# KiCad board panel.kicad_pcb (continued)
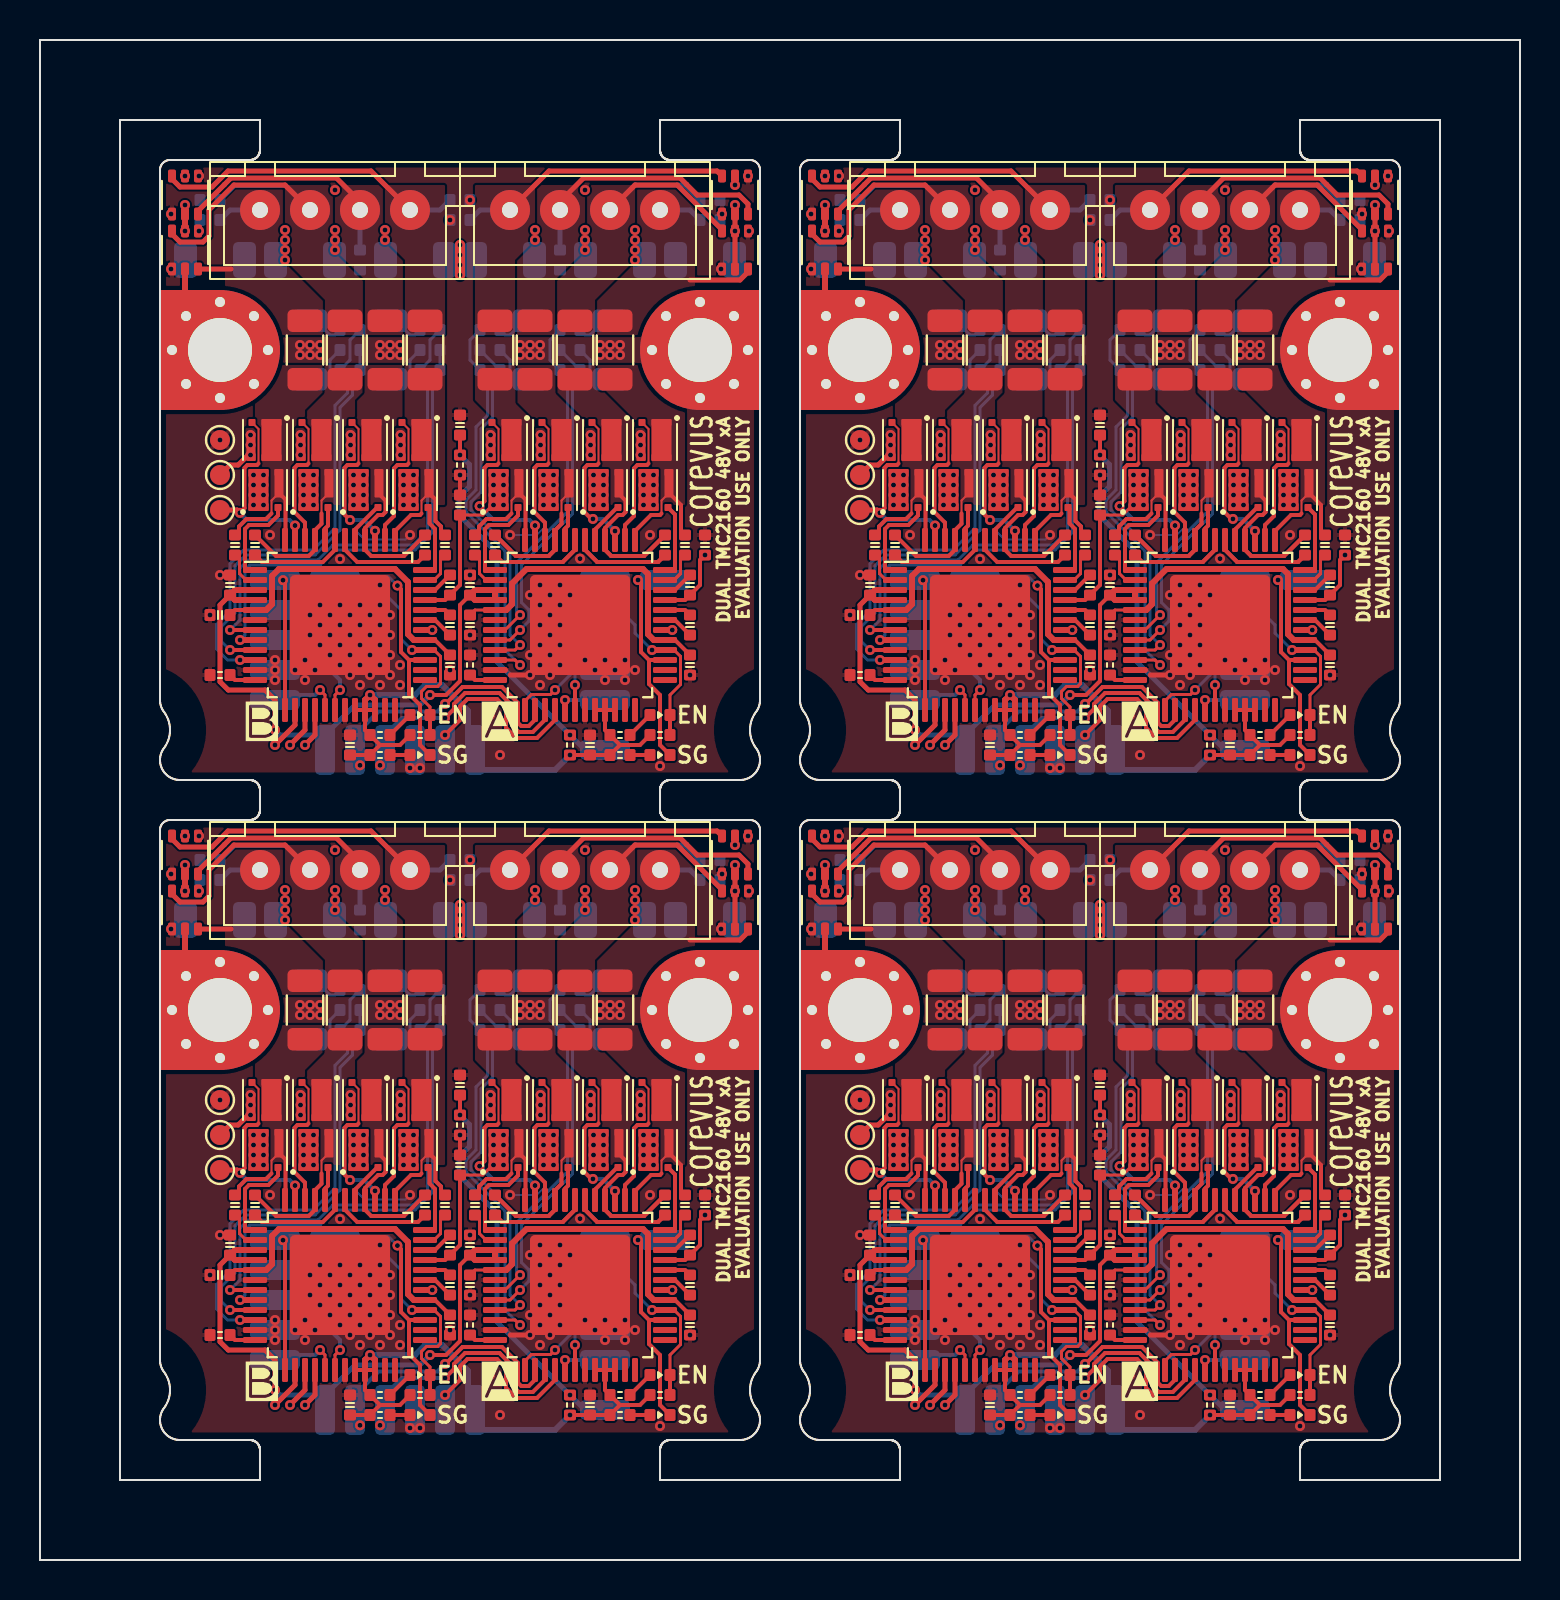
[diagram p0: board, top side]
## Routing (per net, layer and track width the routed paths; a pad name or vN(x,y) marks a point on that pad's centre or on a via; arc(x,y) is an arc through that point) (continued)
Board_0-/_{MA}A1: length 11.5
  Top w0.15: 28.95,53.35 Q5.7
  Top w0.2: U1.40 28.25,50.51 ; U1.40 28.25,50.51 ; U1.40 28.25,51.6 28.9,52.25 29.13,52.25 29.28,52.4 29.28,52.97 29,53.25 ; 28.25,50.51 28.56,50.2 ; 28.25,50.51 28.56,50.2 ; 30.2,50.2 C10.2 30.2,50.2 ; 30.2,50.2 28.56,50.2 ; 30.2,50.2 28.56,50.2
Board_0-/_{MA}A1': length 12.4
  Top w0.25: J1#4.3 29.75,68.75 31.86,68.75 34.1,66.51 D4#4.6
  Bottom w0.25: C17#4.2 32.25,68.75 29.75,68.75 J1#4.3
Board_0-/_{MA}A2: length 5.7
  Top w0.1: 31.45,53.35 31.07,52.97 31.07,52.32
  Top w0.2: 31.45,53.35 32.05,52.75 32.05,51.45 C11#4.2 ; U1.37 29.75,51.45 30.55,52.25 31,52.25 31.07,52.32
Board_0-/_{MA}A2': length 5.4
  Top w0.25: 32.5,64 35,64 35.4,64.4 D4#4.3
  Bottom w0.25: J1#4.4 32.5,67.5 C16#4.2
Board_0-/_{MA}B1: length 6.1
  Top w0.1: 23.95,53.35 23.57,52.97 23.57,52.32
  Top w0.2: 23.95,53.35 24.28,53.02 24.28,51.02 U1.48 ; C8.2 21.95,51.45 21.95,51.68 22.32,52.05 23.3,52.05 23.57,52.32
Board_0-/_{MA}B1': length 13.7
  Top w0.25: D3#3.3 33.85,69.45 25.45,69.45 J1#4.1
  Bottom w0.25: C19#2.2 22,67.5 J1#4.1
Board_0-/_{MA}B2: length 10.7
  Top w0.1: 26.45,53.35 26.07,52.97 26.07,52.32
  Top w0.2: 25.75,50.51 25.44,50.2 ; 25.75,50.51 U1.45 ; 25.75,50.51 25.44,50.2 ; 25.75,50.51 U1.45 ; 25.44,50.2 23.8,50.2 ; 25.44,50.2 23.8,50.2 ; 23.8,50.2 C9#2.2 23.8,50.2 ; U1.45 25.75,51.49 26.07,51.82 26.07,52.32
Board_0-/_{MA}B2': length 13.3
  Top w0.25: D3#3.6 35.4,67.8 34.95,68.25 32.86,68.25 32.01,69.1 27.18,69.1 26,67.92 J1#4.2
  Bottom w0.25: C18#3.2 J1#4.2
Board_0-/_{MA}Dir: length 4.6
  Top w0.2: U1.18 v1(26.75,43.75)
  Bottom w0.15: T13#3.1 27.5,46 26.75,45.25 v1(26.75,43.75)
Board_0-/_{MA}HA1: length 2.1
  Top w0.2: U1.41 27.75,51.52 28.85,52.62 Q5.3
Board_0-/_{MA}HA2: length 3.3
  Top w0.2: Q7#4.3 31.75,52.27 31.75,49.5
Board_0-/_{MA}HB1: length 4.5
  Top w0.15: Q1.3 23.83,52.55
  Top w0.2: Q1.3 23.9,52.23 23.42,51.75 22.45,51.75 22.25,51.55 22.25,49.5
Board_0-/_{MA}HB2: length 1.8
  Top w0.15: 26.32,52.55 Q3#4.3
  Top w0.2: U1.44 26.25,51.57 26.4,51.72 Q3#4.3
Board_0-/_{MA}LA1: length 8
  Top w0.1: 27.93,54.82 27.93,56.55 Q6#4.3
  Top w0.15: v1(28.75,51.45) U1.39
  Top w0.2: v1(27.65,52.05) 27.57,52.05 27.22,52.4 27.22,54.6 27.37,54.75 27.85,54.75 27.93,54.82 ; U1.39 v1(28.75,51.45)
  Bottom w0.2: v1(28.75,51.45) 28.15,52.05 v1(27.65,52.05)
Board_0-/_{MA}LA2: length 7.2
  Top w0.1: Q8.3 30.43,56.55 30.43,54.82
  Top w0.15: U1.38 29.25,51.46
  Top w0.2: 30.43,54.82 30.35,54.75 29.87,54.75 29.7,54.58 29.7,52.2 29.25,51.75 U1.38
Board_0-/_{MA}LB1: length 8.9
  Top w0.1: 22.93,54.82 22.93,56.55 Q2#4.3
  Top w0.2: 22.93,54.82 22.85,54.75 22.37,54.75 22.22,54.6 22.22,52.94 v1(21.98,52.7) ; v1(24.75,51.72) U1.47
  Bottom w0.2: v1(21.98,52.7) 22.68,52 24.47,52 v1(24.75,51.72)
Board_0-/_{MA}LB2: length 6.8
  Top w0.1: Q4#2.3 25.43,56.55 25.43,54.82
  Top w0.2: 25.43,54.82 25.35,54.75 24.87,54.75 24.72,54.6 24.72,52.4 25.25,51.87 U1.46
Board_0-/_{MA}SRAH: length 17.4
  Top w0.15: U1.8 23.5,46 v1(24,46.5)
  Bottom w0.15: R11.2 C21#2.2 26.62,59.13 26.62,52.3 24.07,49.75 24.07,47.87 24.45,47.5 24.45,46.95 v1(24,46.5)
Board_0-/_{MA}SRAL: length 17.5
  Top w0.15: U1.7 23.25,46.5 v1(24,47.25)
  Bottom w0.15: R12#4.2 25.5,61 25.5,60 C21#2.1 26.38,59.13 26.38,52.41 23.82,49.86 23.82,47.42 v1(24,47.25)
Board_0-/_{MA}SRBH: length 18.1
  Top w0.15: v1(24,45.75) 23.75,45.5 U1.9
  Bottom w0.15: v1(24,45.75) 23.5,46.25 23.5,50.55 21.55,52.5 21.55,52.9 22.05,53.4 22.05,56.55 22.62,57.12 22.62,59.13 C20#2.2 R8#4.2
Board_0-/_{MA}SRBL: length 20.2
  Top w0.15: U1.10 23.75,45 v1(24,44.75)
  Bottom w0.15: R9#2.2 21.5,61 21.5,60 C20#2.1 22.38,59.12 22.38,57.23 21.8,56.65 21.8,53.5 21.3,53 21.3,52.4 23.25,50.45 23.25,45.5 v1(24,44.75)
Board_0-/_{MA}Stall: length 11.6
  Top w0.2: 30.45,45 U1.27 ; 30.45,45 30.05,45.4 30.05,48.85 v1(29.9,49) ; 30.45,45 30.45,43.8 31,43.25 31,40.75 D2#3.1
  Bottom w0.5: v1(29.9,49) T17.1
Board_0-/_{MA}Step: length 2.6
  Top w0.2: U1.17 v1(26.25,43)
  Bottom w0.2: v1(26.25,43) 28,43 28.25,42.75
Board_0-/_{MA}~{CS}: length 8
  Top w0.15: U1.13 24.25,42.96 24.57,43.27 25.52,43.27 v1(25.75,43.5)
  Bottom w0.15: 27.07,48.75 27.07,48.22 26.75,47.9 26.75,45.6 26.5,45.35 26.5,44.25 v1(25.75,43.5)
Board_0-/_{MA}~{En}: length 8.3
  Top w0.15: D1#3.1 31.5,43.25 32.03,43.77 32.03,45.18 31.71,45.5 U1.28 v1(30.6,45.5)
  Top w0.2: R2#2.2 D1#3.1
  Bottom w0.15: v1(30.6,45.5) 29.75,46.35 29.75,46.75 29.05,47.45
Board_0-/_{MB}A1: length 7.5
  Top w0.15: 16.95,53.35 Q13#4.7
  Top w0.2: C31.2 18.2,50.2 16.56,50.2 16.25,50.51 U2#2.40 16.25,51.6 16.9,52.25 17.13,52.25 17.28,52.4 17.28,52.97 17,53.25
Board_0-/_{MB}A1': length 11.8
  Top w0.25: J2.3 16,67.92 14.82,69.1 9.55,69.1 7.9,67.45 D7#4.6
  Bottom w0.25: C35#4.2 J2.3
Board_0-/_{MB}A2: length 5.7
  Top w0.1: 19.45,53.35 19.07,52.97 19.07,52.32
  Top w0.2: 19.45,53.35 19.78,53.02 19.78,51.95 20.05,51.68 20.05,51.45 C32#2.2 ; U2#2.37 17.75,51.45 18.55,52.25 19,52.25 19.07,52.32
Board_0-/_{MB}A2': length 15.6
  Top w0.25: D7#4.3 6.6,69.05 7,68.65 8.6,68.65 9.4,69.45 16.55,69.45 J2.4
  Bottom w0.25: J2.4 20,67.5 C34#4.2
Board_0-/_{MB}B1: length 6.1
  Top w0.1: 11.95,53.35 11.58,52.97 11.58,52.32
  Top w0.2: U2#2.48 12.28,51.02 12.28,53.02 11.95,53.35 ; 11.58,52.32 11.3,52.05 10.32,52.05 9.95,51.68 9.95,51.45 C29#4.2
Board_0-/_{MB}B1': length 3.9
  Top w0.25: D8.3 9.55,64.55
  Bottom w0.25: C37#2.2 9.5,67.5 J2.1
Board_0-/_{MB}B2: length 6.7
  Top w0.1: 14.08,52.32 14.08,52.97 14.45,53.35
  Top w0.2: 14.08,52.32 14.08,51.82 13.75,51.49 U2#2.45 13.75,50.51 13.44,50.2 11.8,50.2 C30#3.2
Board_0-/_{MB}B2': length 15.3
  Top w0.25: D8.6 6.6,66.3 7,65.9 8.15,65.9 8.45,66.2 8.45,67.51 9.69,68.75 12.25,68.75 J2.2
  Bottom w0.25: 13.75,67.25 J2.2 12.28,68.72 9.72,68.72 C36#3.2
Board_0-/_{MB}Dir: length 4.6
  Top w0.15: v1(15,43.5) 14.75,43.25 U2#2.18
  Bottom w0.2: v1(15,43.5) 15,44 13.25,45.75 12.75,45.75
Board_0-/_{MB}HA1: length 2.1
  Top w0.2: U2#2.41 15.75,51.52 16.85,52.62 Q13#4.3
Board_0-/_{MB}HA2: length 3.3
  Top w0.2: Q15#4.3 19.47,52.55 19.47,51.83 19.75,51.55 19.75,49.5
Board_0-/_{MB}HB1: length 4.5
  Top w0.15: Q9#2.3 11.83,52.55
  Top w0.2: 10.25,49.5 10.25,51.55 10.45,51.75 11.42,51.75 11.9,52.23 Q9#2.3
Board_0-/_{MB}HB2: length 1.8
  Top w0.15: 14.33,52.55 Q11#3.3
  Top w0.2: U2#2.44 14.25,51.57 14.4,51.72 Q11#3.3
Board_0-/_{MB}LA1: length 7.6
  Top w0.1: Q14#2.3 15.92,56.55 15.92,54.82
  Top w0.2: v1(15.5,52) 15.22,52.27 15.22,54.6 15.37,54.75 15.85,54.75 15.92,54.82 ; U2#2.39 v1(16.75,51.46)
  Bottom w0.2: v1(15.5,52) 16.21,52 v1(16.75,51.46)
Board_0-/_{MB}LA2: length 7.2
  Top w0.1: Q16#4.3 18.43,56.55 18.43,54.82
  Top w0.15: U2#2.38 17.25,51.46
  Top w0.2: U2#2.38 17.25,51.75 17.7,52.2 17.7,54.58 17.87,54.75 18.35,54.75 18.43,54.82
Board_0-/_{MB}LB1: length 10.1
  Top w0.1: Q10#3.3 10.92,56.55 10.92,54.82
  Top w0.2: v1(12.75,51.72) U2#2.47 ; 10.92,54.82 10.85,54.75 10.37,54.75 10.22,54.6 10.22,52.59 v1(9.99,52.36)
  Top w0.25: v1(9.99,52.36) 9.85,52.5 TP5#2.1
  Bottom w0.2: v1(12.75,51.72) 12.47,52 10.35,52 v1(9.99,52.36)
Board_0-/_{MB}LB2: length 6.8
  Top w0.1: 13.42,54.82 13.42,56.55 Q12#3.3
  Top w0.2: 13.42,54.82 13.35,54.75 12.87,54.75 12.72,54.6 12.72,52.4 13.25,51.87 U2#2.46
Board_0-/_{MB}SRAH: length 23.8
  Top w0.2: U2#2.8 v1(10,46)
  Bottom w0.15: v1(10,46) 10.25,46.25 10.25,49.5 10.5,49.75 14,49.75 14.75,50.5 18.75,50.5 19.62,51.37 19.62,59.13 C41#2.2 R19#3.2
Board_0-/_{MB}SRAL: length 25.3
  Top w0.2: U2#2.7 v1(9.5,46.5)
  Bottom w0.15: v1(9.5,46.5) 10,47 10,49.6 10.4,50 13.9,50 14.65,50.75 18.65,50.75 19.38,51.48 19.38,59.13 C41#2.1 19.5,60 19.5,61 R21#3.2
Board_0-/_{MB}SRBH: length 21.2
  Top w0.2: U2#2.9 v1(9.5,45.5)
  Bottom w0.15: v1(9.5,45.5) 9.08,45.92 9.08,46.68 9.75,47.35 9.75,49.71 10.29,50.25 13.75,50.25 15,51.5 15,57.62 15.62,58.25 15.62,59.13 C33.2 16,60.38
Board_0-/_{MB}SRBL: length 23.4
  Top w0.2: U2#2.10 v1(10,45)
  Bottom w0.15: R15.2 15.5,61 15.5,60 C33.1 15.38,59.12 15.38,58.35 14.75,57.73 14.75,51.6 13.65,50.5 10.19,50.5 9.5,49.81 9.5,47.45 8.83,46.78 8.83,45.55 9.38,45 v1(10,45)
Board_0-/_{MB}Stall: length 13.4
  Top w0.2: 18.45,45 18.05,45.4 18.05,48.54 v1(17.87,48.72) ; 18.45,45 18.45,43.3 19,42.75 19,40.75 D6.1 ; 18.45,45 U2#2.27
  Bottom w0.15: 14.75,48.75 15.17,49.17 17.42,49.17 v1(17.87,48.72)
Board_0-/_{MB}Step: length 2.9
  Top w0.15: U2#2.17 14.25,43.25 v1(14,43.5)
  Bottom w0.2: 12.5,42.75 13,43.25 13.75,43.25 v1(14,43.5)
Board_0-/_{MB}~{CS}: length 6.5
  Top w0.2: U2#2.13 12.25,48.89 v1(12.15,48.99)
Board_0-/_{MB}~{En}: length 15.5
  Top w0.15: v1(18.6,45.5) U2#2.28 19.71,45.5 20.03,45.18 20.03,43.82 19.88,43.67 19.32,43.67 19.07,43.43 19.07,43.07 19.5,42.65 D5#4.1
  Top w0.2: R4.2 D5#4.1
  Bottom w0.15: v1(18.6,45.5) 18.05,46.05 18.05,47.5 17.3,48.25 13.25,48.25 12.5,47.5 T19#2.1
Board_0-/SCK: length 19.1
  Top w0.2: U1.14 24.75,42.01 24.44,41.7 24.06,41.7 23.9,41.86 23.9,42.85 23.1,43.65 21.13,43.65 20.28,42.8 v1(20.25,42.8)
  Top w0.25: U2#2.14 12.75,41.75 v1(11.75,40.75)
  In4.Cu w0.2: v1(16,39.74) 15.79,39.95 12.55,39.95 v1(11.75,40.75)
  Bottom w0.2: 15.75,41 15.75,41.25 16.93,42.42 19.88,42.42 v1(20.25,42.8)
Board_0-/SDI: length 18.4
  Top w0.2: v1(20.25,42.1) 20.7,42.55 20.7,42.8 21.25,43.35 22.98,43.35 23.6,42.73 23.6,41.73 23.93,41.4 24.64,41.4 25.25,42.01 U1.15
  Top w0.25: U2#2.15 13.25,41.5 v1(12.5,40.75)
  In4.Cu w0.2: v1(17,39.74) 16.49,40.25 13,40.25 v1(12.5,40.75)
  Bottom w0.2: v1(20.25,42.1) 18.1,42.1 17.25,41.25 17.25,41
Board_0-/SDO: length 19
  Top w0.2: v1(20.25,41.25) 21,42 21,42.68 21.37,43.05 22.85,43.05 23.3,42.6 23.3,41.61 23.81,41.1 24.85,41.1 25.75,42 U1.16
  Top w0.25: v1(13.25,40.75) 13.75,41.25 U2#2.16
  In4.Cu w0.2: v1(13.25,40.75) 13.45,40.55 19.55,40.55 v1(20.25,41.25)
  Bottom w0.15: 20.25,41 20.25,40.25
Board_0-/THERM: length 19.9
  Top w0.2: C13#2.1 v1(21,55.25)
  Bottom w0.15: 29,40.25 28.25,40.25
  Bottom w0.25: v1(21,55.25) 21.47,54.77 21.47,53.67 20.95,53.15 20.95,52.25 22.85,50.35 22.85,44.9 v1(26.5,41.25) 27.5,40.25
Board_0-GND: length 8.3
  Top w0.2: C28#4.2 v1(21,54.25)
  Top w0.25: v1(25,44.75) v1(24.5,44.25) 23.53,44.25 ; U1.11 23.28,44.5
  Top w0.3: v1(7.95,69.2) D7#4.1
  Bottom w0.1: 25.25,51.75 25.25,51.66 24.84,51.25 v1(23.5,51.25) ; 15.75,51.5 16.22,51.02 18.28,51.02 v1(18.5,51.25)
  vias: v1(6.55,67.3) v1(6.55,64.55) v1(7.95,66.45) v1(8.5,47.25) v1(9,56) v1(9,49.25) v1(11.5,51.25) v1(11.75,45) v1(11.75,44.5) v1(11.75,44) v1(12.75,44.5) v1(13,60.75) v1(13,60.25) v1(13.25,45) v1(13.25,44) v1(13.5,60.75) v1(13.5,60.25) v1(13.5,47.25) v1(13.5,46.25) v1(13.75,44.5) v1(14,60.75) v1(14,60.25) v1(14,47.75) v1(14,46.75) v1(14,45.75) v1(14.5,47.25) v1(14.5,46.25) v1(14.5,45.25) v1(14.75,68.5) v1(14.75,66.5) v1(14.75,66) v1(14.75,65.5) v1(15,50.05) v1(15,47.75) v1(15,46.75) v1(15,45.75) v1(15,44.75) v1(15.5,47.25) v1(15.5,46.25) v1(15.5,45.25) v1(15.5,44.25) v1(16,47.75) v1(16,46.75) v1(16,45.75) v1(16,44.75) v1(16,43.75) v1(16.5,47.25) v1(16.5,46.25) v1(16.5,45.25) v1(16.5,44.25) v1(17,60.75) v1(17,60.25) v1(17,48.75) v1(17,47.75) v1(17,46.75) v1(17,45.75) v1(17,44.75) v1(17,43.75) v1(17.25,66.5) v1(17.25,66) v1(17.5,60.75) v1(17.5,60.25) v1(17.5,47.25) v1(17.5,46.25) v1(17.5,45.25) v1(17.5,44.25) v1(18,60.75) v1(18,60.25) v1(18,44.75) v1(18,43.75) v1(18.5,39.6) v1(19,39.6) v1(19.61,46.5) v1(20.5,67) v1(20.5,44.5) v1(21.5,68) v1(21.5,49.25) v1(21.5,46.25) v1(22.5,42.25) v1(23,40.25) v1(24,60.75) v1(24,60.25) v1(24.5,60.75) v1(24.5,60.25) v1(24.5,48.25) v1(24.5,45.25) v1(24.75,66.5) v1(24.75,66) v1(25,60.75) v1(25,60.25) v1(25,48.75) v1(25,47.75) v1(25,46.75) v1(25,45.75) v1(25,43.75) v1(25.5,48.25) v1(25.5,47.25) v1(25.5,46.25) v1(25.5,45.25) v1(25.5,44.25) v1(26,48.75) v1(26,47.75) v1(26,46.75) v1(26,45.75) v1(26,44.75) v1(26.5,48.25) v1(27,50.07) v1(27.25,68.5) v1(27.25,66.5) v1(27.25,66) v1(27.25,65.5) v1(27.25,45) v1(27.75,44.5) v1(28,60.75) v1(28,60.25) v1(28.25,45) v1(28.25,44) v1(28.5,60.75) v1(28.5,60.25) v1(28.75,44.5) v1(29,60.75) v1(29,60.25) v1(29.25,45) v1(29.25,44) v1(29.75,44.5) v1(30.5,51.25) v1(31,39.7) v1(31.61,46.5) v1(32.5,44.25) v1(34.1,67.3) v1(34.05,64.55) v1(35.4,69.2) v1(35.45,66.45)
Board_0-Net-(D1-A): length 1.4
  Top w0.2: R1.2 D1#3.2
Board_0-Net-(D2-A): length 1
  Top w0.2: R16.2 D2#3.2
Board_0-Net-(D5-A): length 1.4
  Top w0.2: D5#4.2 R6#3.2
Board_0-Net-(D6-A): length 1
  Top w0.2: R7#3.2 D6.2
Board_0-Net-(NT1-Pad1): length 1
  Bottom w0.15: R9#2.1 23.25,61.25 23.5,61.25 NT1#3.1
Board_0-Net-(NT2-Pad2): length 1
  Bottom w0.15: NT2#4.2 27.5,61.25 27.25,61.25 R12#4.1
Board_0-Net-(NT3-Pad1): length 1
  Bottom w0.15: NT3.1 14.5,61.25 14.75,61.25 R15.1
Board_0-Net-(NT4-Pad2): length 1
  Bottom w0.15: NT4#4.2 18.5,61.25 18.75,61.25 R21#3.1
Board_0-Net-(Q2-S-Pad4): length 1.2
  Bottom w0.15: R8#4.1 23.5,60 23.5,59.5
  vias: v1(22.53,56.25) v1(22.53,55.75) v1(22.53,55.25) v1(25.03,56.25) v1(25.03,55.75) v1(25.03,55.25)
Board_0-Net-(Q6-S-Pad4): length 1.2
  Bottom w0.15: 27.5,59.5 27.5,60 R11.1
  vias: v1(27.53,56.25) v1(27.53,55.75) v1(27.53,55.25) v1(30.03,56.25) v1(30.03,55.75) v1(30.03,55.25)
Board_0-Net-(Q10-S-Pad4): length 3.1
  Top w0.25: TP6#3.1 9.5,54.75 9.91,54.75 10.41,55.25 v1(10.53,55.25)
  Bottom w0.15: R14.1 14.5,60 14.5,59.5
  vias: v1(10.53,56.25) v1(10.53,55.75) v1(13.03,56.25) v1(13.03,55.75) v1(13.03,55.25)
Board_0-Net-(Q14-S-Pad4): length 1.2
  Bottom w0.15: 18.5,59.5 18.5,60 R19#3.1
  vias: v1(15.53,56.25) v1(15.53,55.75) v1(15.53,55.25) v1(18.03,56.25) v1(18.03,55.75) v1(18.03,55.25)
Board_0-Net-(U1-5VOUT): length 16.1
  Top w0.15: U1.5 21.75,47.5 C4#2.2
  Top w0.2: U1.29 31.75,46 C5#2.2
  Top w0.3: U1.29 30.69,46 30.4,46.29 30.4,49.3 30.15,49.55 24.32,49.55 23.6,48.83 23.6,47.79 23.31,47.5 U1.5
Board_0-Net-(U1-CA1): length 9.8
  Top w0.2: 27.86,49.9 27.25,50.51 ; 27.86,49.9 27.25,50.51 ; 27.86,49.9 30.9,49.9 ; 27.86,49.9 30.9,49.9 ; 27.25,50.51 U1.42 27.25,50.51 ; 30.9,49.9 C10.1 30.9,49.9
Board_0-Net-(U1-CA2): length 3.9
  Top w0.15: 32.03,50.02 C11#4.1 32.03,50.02 ; 32.03,50.02 32.03,49.32 ; 32.03,50.02 32.03,49.32 ; 31.71,49 32.03,49.32 ; 31.71,49 U1.35 31.71,49 ; 31.71,49 32.03,49.32
Board_0-Net-(U1-CB1): length 1.9
  Top w0.15: U1.2 22.29,49 21.97,49.32 21.97,50.02 C8.1
Board_0-Net-(U1-CB2): length 9.8
  Top w0.2: 26.75,50.51 26.14,49.9 ; 26.75,50.51 U1.43 26.75,50.51 ; 26.75,50.51 26.14,49.9 ; 26.14,49.9 23.1,49.9 ; 26.14,49.9 23.1,49.9 ; 23.1,49.9 C9#2.1 23.1,49.9
Board_0-Net-(U1-CLK): length 1.4
  Top w0.2: R3.1 21.75,44 U1.12
Board_0-Net-(U1-CPI): length 1.4
  Top w0.2: C2#3.2 32.25,47.5 U1.32
Board_0-Net-(U1-CPO): length 1.6
  Top w0.2: C2#3.1 31.75,47 U1.31
Board_0-Net-(U1-VCP): length 1.6
  Top w0.2: 32.53,49.27 31.75,48.5 U1.34
Board_0-Net-(U2-5VOUT): length 16.1
  Top w0.2: C24.2 9.75,47.5 U2#2.5 ; C25.2 19.75,46 U2#2.29
  Top w0.3: U2#2.29 18.69,46 18.4,46.29 18.4,48.9 17.75,49.55 11.95,49.55 11.6,49.2 11.6,47.79 11.31,47.5 U2#2.5
Board_0-Net-(U2-CA1): length 4.9
  Top w0.2: U2#2.42 15.25,50.51 15.86,49.9 18.9,49.9 C31.1
Board_0-Net-(U2-CA2): length 1.9
  Top w0.15: C32#2.1 20.03,50.02 20.03,49.32 19.71,49 U2#2.35
Board_0-Net-(U2-CB1): length 1.9
  Top w0.15: C29#4.1 9.97,50.02 9.97,49.32 10.29,49 U2#2.2
Board_0-Net-(U2-CB2): length 4.9
  Top w0.2: C30#3.1 11.1,49.9 14.14,49.9 14.75,50.51 U2#2.43
Board_0-Net-(U2-CLK): length 1.4
  Top w0.2: R5#2.1 9.75,44 U2#2.12
Board_0-Net-(U2-CPI): length 1.4
  Top w0.2: C23#3.2 20.25,47.5 U2#2.32
Board_0-Net-(U2-CPO): length 1.6
  Top w0.2: U2#2.31 19.75,47 C23#3.1
Board_0-Net-(U2-VCP): length 1.6
  Top w0.2: C22#3.1 19.75,48.5 U2#2.34
Board_0-VCC: length 28.9
  Top w0.2: 29,40.75 R1.1 28.25,41.5 U1.21 ; 29,40.75 30,40.75 R2#2.1 ; 29,40.75 R16.1 C3#2.2 v1(26.5,40.25) ; U1.21 U1.20 ; U1.21 U1.22 ; U2#2.21 16.25,41.5 R6#3.1 17,40.75 ; U2#2.21 U2#2.20 ; U2#2.21 U2#2.22 ; 17,40.75 R7#3.1 C26#2.2 ; 17,40.75 18,40.75 R4.1
  Top w0.3: U2#2.22 16.75,43 v1(16.5,43.25) 16.25,43 U2#2.21
  Bottom w0.15: 21.9,40.4 21.75,40.25
  Bottom w0.3: 21.75,40.25 21.4,40.6 21.4,42.46 20.11,43.75 19.25,43.75 18.75,43.25 v1(16.5,43.25) ; 21.75,39.5 25.75,39.5 v1(26.5,40.25)
Board_1-+12V: length 31.1
  Top w0.2: v1(51.5,43.25) 52.3,43.25 53,43.95 53,47.75 C6#3.1
  Top w0.25: C27#3.1 41,47.75 41,43.91 41.41,43.5 43.25,43.5 43.75,43 v1(43.75,41.5)
  Top w0.3: U2.4 41.75,48 C27#3.1 41.75,48.5 U2.3 ; U1#3.4 53.75,48 C6#3.1 53.75,48.5 U1#3.3 U1#3.4
  Bottom w0.25: v1(51.5,43.25) 51,42.75 47.75,42.75 46.25,41.25 ; 46.25,41.25 46.25,40.25 ; 46.25,41.25 44,41.25 v1(43.75,41.5)
Board_1-+48V: length 19.1
  Top w0.15: v1(54.68,52.75) 54.63,52.75 54.13,52.25 C28.1
  Top w0.2: U2.33 52.25,48 53,48.75 C28.1 ; U1#3.33 64.25,48 C1#2.2 65,48.75 65,50 v1(65.25,50.25)
  Top w0.25: v1(66.75,67.75) D3.5 v1(66.75,66.45) D4#3.2 ; D3.2 v1(66.75,68.75)
  Top w0.3: D8#3.2 39.25,63 ; v1(39.25,67.75) D7.5 v1(39.25,66.45)
  Top w0.5: v1(53,65.75) v1(53,64.25)
  vias: v1(39.25,69.2) v1(42.68,54.25) v1(42.68,53.75) v1(42.68,53.25) v1(42.68,52.75) v1(43.18,54.25) v1(43.18,53.75) v1(43.18,53.25) v1(43.18,52.75) v1(44.25,66.5) v1(44.25,66) v1(44.25,65.5) v1(44.25,65) v1(45.18,54.25) v1(45.18,53.75) v1(45.18,53.25) v1(45.18,52.75) v1(45.68,54.25) v1(45.68,53.75) v1(45.68,53.25) v1(45.68,52.75) v1(47.68,54.25) v1(47.68,53.75) v1(47.68,53.25) v1(47.68,52.75) v1(48.18,54.25) v1(48.18,53.75) v1(48.18,53.25) v1(48.18,52.75) v1(50.18,54.25) v1(50.18,53.75) v1(50.18,53.25) v1(50.18,52.75) v1(50.68,54.25) v1(50.68,53.75) v1(50.68,53.25) v1(50.68,52.75) v1(53,65.25) v1(53,64.75) v1(54.68,54.25) v1(54.68,53.75) v1(54.68,53.25) v1(55.18,54.25) v1(55.18,53.75) v1(55.18,53.25) v1(55.18,52.75) v1(57.18,54.25) v1(57.18,53.75) v1(57.18,53.25) v1(57.18,52.75) v1(57.68,54.25) v1(57.68,53.75) v1(57.68,53.25) v1(57.68,52.75) v1(59.68,54.25) v1(59.68,53.75) v1(59.68,53.25) v1(59.68,52.75) v1(60.18,54.25) v1(60.18,53.75) v1(60.18,53.25) v1(60.18,52.75) v1(61.75,66.5) v1(61.75,66) v1(61.75,65.5) v1(61.75,65) v1(62.18,54.25) v1(62.18,53.75) v1(62.18,53.25) v1(62.18,52.75) v1(62.68,54.25) v1(62.68,53.75) v1(62.68,53.25) v1(62.68,52.75)
Board_1-/_{MA}A1: length 11.5
  Top w0.15: 60.95,53.35 Q5#4.7
  Top w0.2: 60.25,50.51 60.56,50.2 ; 60.25,50.51 U1#3.40 ; 60.25,50.51 U1#3.40 ; 60.25,50.51 60.56,50.2 ; 60.56,50.2 62.2,50.2 ; 60.56,50.2 62.2,50.2 ; U1#3.40 60.25,51.6 60.9,52.25 61.13,52.25 61.28,52.4 61.28,52.97 61,53.25 ; 62.2,50.2 C10#3.2 62.2,50.2
Board_1-/_{MA}A1': length 12.4
  Top w0.25: J1.3 61.75,68.75 63.86,68.75 66.1,66.51 D4#3.6
  Bottom w0.25: J1.3 61.75,68.75 64.25,68.75 C17#2.2
Board_1-/_{MA}A2: length 5.7
  Top w0.1: 63.07,52.32 63.07,52.97 63.45,53.35
  Top w0.2: 63.07,52.32 63,52.25 62.55,52.25 61.75,51.45 U1#3.37 ; C11.2 64.05,51.45 64.05,52.75 63.45,53.35
Board_1-/_{MA}A2': length 5.4
  Top w0.25: D4#3.3 67.4,64.4 67,64 64.5,64
  Bottom w0.25: J1.4 64.5,67.5 C16.2
Board_1-/_{MA}B1: length 6.1
  Top w0.1: 55.95,53.35 55.57,52.97 55.57,52.32
  Top w0.2: 55.95,53.35 56.28,53.02 56.28,51.02 U1#3.48 ; 55.57,52.32 55.3,52.05 54.32,52.05 53.95,51.68 53.95,51.45 C8#3.2
Board_1-/_{MA}B1': length 13.7
  Top w0.25: D3.3 65.85,69.45 57.45,69.45 J1.1
  Bottom w0.25: C19.2 54,67.5 J1.1
Board_1-/_{MA}B2: length 10.7
  Top w0.1: 58.07,52.32 58.07,52.97 58.45,53.35
  Top w0.2: U1#3.45 57.75,50.51 ; U1#3.45 57.75,51.49 58.07,51.82 58.07,52.32 ; U1#3.45 57.75,50.51 ; 57.75,50.51 57.44,50.2 ; 57.75,50.51 57.44,50.2 ; 55.8,50.2 C9.2 55.8,50.2 ; 55.8,50.2 57.44,50.2 ; 55.8,50.2 57.44,50.2
Board_1-/_{MA}B2': length 13.3
  Top w0.25: D3.6 67.4,67.8 66.95,68.25 64.86,68.25 64.01,69.1 59.18,69.1 58,67.92 J1.2
  Bottom w0.25: C18.2 J1.2
Board_1-/_{MA}Dir: length 4.6
  Top w0.2: U1#3.18 v1(58.75,43.75)
  Bottom w0.15: v1(58.75,43.75) 58.75,45.25 59.5,46 T13#4.1
Board_1-/_{MA}HA1: length 2.1
  Top w0.2: U1#3.41 59.75,51.52 60.85,52.62 Q5#4.3
Board_1-/_{MA}HA2: length 3.3
  Top w0.2: 63.75,49.5 63.75,52.27 Q7#2.3
Board_1-/_{MA}HB1: length 4.5
  Top w0.15: Q1#4.3 55.83,52.55
  Top w0.2: Q1#4.3 55.9,52.23 55.42,51.75 54.45,51.75 54.25,51.55 54.25,49.5
Board_1-/_{MA}HB2: length 1.8
  Top w0.15: 58.32,52.55 Q3.3
  Top w0.2: Q3.3 58.4,51.72 58.25,51.57 U1#3.44
Board_1-/_{MA}LA1: length 8
  Top w0.1: 59.93,54.82 59.93,56.55 Q6#2.3
  Top w0.15: v1(60.75,51.45) U1#3.39
  Top w0.2: U1#3.39 v1(60.75,51.45) ; 59.93,54.82 59.85,54.75 59.37,54.75 59.22,54.6 59.22,52.4 59.57,52.05 v1(59.65,52.05)
  Bottom w0.2: v1(59.65,52.05) 60.15,52.05 v1(60.75,51.45)
Board_1-/_{MA}LA2: length 7.2
  Top w0.1: 62.43,54.82 62.43,56.55 Q8#4.3
  Top w0.15: U1#3.38 61.25,51.46
  Top w0.2: 62.43,54.82 62.35,54.75 61.87,54.75 61.7,54.58 61.7,52.2 61.25,51.75 U1#3.38
Board_1-/_{MA}LB1: length 8.9
  Top w0.1: 54.93,54.82 54.93,56.55 Q2#3.3
  Top w0.2: 54.93,54.82 54.85,54.75 54.37,54.75 54.22,54.6 54.22,52.94 v1(53.98,52.7) ; v1(56.75,51.72) U1#3.47
  Bottom w0.2: v1(56.75,51.72) 56.47,52 54.68,52 v1(53.98,52.7)
Board_1-/_{MA}LB2: length 6.8
  Top w0.1: Q4#3.3 57.43,56.55 57.43,54.82
  Top w0.2: 57.43,54.82 57.35,54.75 56.87,54.75 56.72,54.6 56.72,52.4 57.25,51.87 U1#3.46
Board_1-/_{MA}SRAH: length 17.4
  Top w0.15: v1(56,46.5) 55.5,46 U1#3.8
  Bottom w0.15: R11#3.2 C21#3.2 58.62,59.13 58.62,52.3 56.07,49.75 56.07,47.87 56.45,47.5 56.45,46.95 v1(56,46.5)
Board_1-/_{MA}SRAL: length 17.5
  Top w0.15: v1(56,47.25) 55.25,46.5 U1#3.7
  Bottom w0.15: v1(56,47.25) 55.82,47.42 55.82,49.86 58.38,52.41 58.38,59.13 C21#3.1 57.5,60 57.5,61 R12.2
Board_1-/_{MA}SRBH: length 18.1
  Top w0.15: v1(56,45.75) 55.75,45.5 U1#3.9
  Bottom w0.15: R8.2 C20#3.2 54.62,59.13 54.62,57.12 54.05,56.55 54.05,53.4 53.55,52.9 53.55,52.5 55.5,50.55 55.5,46.25 v1(56,45.75)
Board_1-/_{MA}SRBL: length 20.2
  Top w0.15: U1#3.10 55.75,45 v1(56,44.75)
  Bottom w0.15: R9#3.2 53.5,61 53.5,60 C20#3.1 54.38,59.12 54.38,57.23 53.8,56.65 53.8,53.5 53.3,53 53.3,52.4 55.25,50.45 55.25,45.5 v1(56,44.75)
Board_1-/_{MA}Stall: length 11.6
  Top w0.2: 62.45,45 U1#3.27 ; 62.45,45 62.45,43.8 63,43.25 63,40.75 D2#2.1 ; 62.45,45 62.05,45.4 62.05,48.85 v1(61.9,49)
  Bottom w0.5: v1(61.9,49) T17#3.1
Board_1-/_{MA}Step: length 2.6
  Top w0.2: U1#3.17 v1(58.25,43)
  Bottom w0.2: 60.25,42.75 60,43 v1(58.25,43)
Board_1-/_{MA}~{CS}: length 8
  Top w0.15: U1#3.13 56.25,42.96 56.57,43.27 57.52,43.27 v1(57.75,43.5)
  Bottom w0.15: 59.07,48.75 59.07,48.22 58.75,47.9 58.75,45.6 58.5,45.35 58.5,44.25 v1(57.75,43.5)
Board_1-/_{MA}~{En}: length 8.3
  Top w0.15: v1(62.6,45.5) U1#3.28 63.71,45.5 64.03,45.18 64.03,43.77 63.5,43.25 D1.1
  Top w0.2: R2.2 D1.1
  Bottom w0.15: v1(62.6,45.5) 61.75,46.35 61.75,46.75 61.05,47.45
Board_1-/_{MB}A1: length 7.5
  Top w0.15: 48.95,53.35 Q13#2.7
  Top w0.2: 49,53.25 49.28,52.97 49.28,52.4 49.13,52.25 48.9,52.25 48.25,51.6 U2.40 48.25,50.51 48.56,50.2 50.2,50.2 C31#2.2
Board_1-/_{MB}A1': length 11.8
  Top w0.25: J2#4.3 48,67.92 46.82,69.1 41.55,69.1 39.9,67.45 D7.6
  Bottom w0.25: C35#3.2 J2#4.3
Board_1-/_{MB}A2: length 5.7
  Top w0.1: 51.45,53.35 51.07,52.97 51.07,52.32
  Top w0.2: U2.37 49.75,51.45 50.55,52.25 51,52.25 51.07,52.32 ; 51.45,53.35 51.78,53.02 51.78,51.95 52.05,51.68 52.05,51.45 C32#4.2
Board_1-/_{MB}A2': length 15.6
  Top w0.25: D7.3 38.6,69.05 39,68.65 40.6,68.65 41.4,69.45 48.55,69.45 J2#4.4
  Bottom w0.25: C34#2.2 52,67.5 J2#4.4
Board_1-/_{MB}B1: length 6.1
  Top w0.1: 43.57,52.32 43.57,52.97 43.95,53.35
  Top w0.2: 43.57,52.32 43.3,52.05 42.32,52.05 41.95,51.68 41.95,51.45 C29#3.2 ; 43.95,53.35 44.28,53.02 44.28,51.02 U2.48
Board_1-/_{MB}B1': length 3.9
  Top w0.25: D8#3.3 41.55,64.55
  Bottom w0.25: C37#4.2 41.5,67.5 J2#4.1
Board_1-/_{MB}B2: length 6.7
  Top w0.1: 46.45,53.35 46.07,52.97 46.07,52.32
  Top w0.2: 46.07,52.32 46.07,51.82 45.75,51.49 U2.45 45.75,50.51 45.44,50.2 43.8,50.2 C30#2.2
Board_1-/_{MB}B2': length 15.3
  Top w0.25: J2#4.2 44.25,68.75 41.69,68.75 40.45,67.51 40.45,66.2 40.15,65.9 39,65.9 38.6,66.3 D8#3.6
  Bottom w0.25: C36.2 41.72,68.72 44.28,68.72 J2#4.2 45.75,67.25
Board_1-/_{MB}Dir: length 4.6
  Top w0.15: v1(47,43.5) 46.75,43.25 U2.18
  Bottom w0.2: 44.75,45.75 45.25,45.75 47,44 v1(47,43.5)
Board_1-/_{MB}HA1: length 2.1
  Top w0.2: U2.41 47.75,51.52 48.85,52.62 Q13#2.3
Board_1-/_{MB}HA2: length 3.3
  Top w0.2: Q15.3 51.47,52.55 51.47,51.83 51.75,51.55 51.75,49.5
Board_1-/_{MB}HB1: length 4.5
  Top w0.15: Q9#3.3 43.83,52.55
  Top w0.2: Q9#3.3 43.9,52.23 43.42,51.75 42.45,51.75 42.25,51.55 42.25,49.5
Board_1-/_{MB}HB2: length 1.8
  Top w0.15: 46.32,52.55 Q11#4.3
  Top w0.2: U2.44 46.25,51.57 46.4,51.72 Q11#4.3
Board_1-/_{MB}LA1: length 7.6
  Top w0.1: 47.93,54.82 47.93,56.55 Q14#3.3
  Top w0.2: U2.39 v1(48.75,51.46) ; v1(47.5,52) 47.22,52.27 47.22,54.6 47.37,54.75 47.85,54.75 47.93,54.82
  Bottom w0.2: v1(47.5,52) 48.21,52 v1(48.75,51.46)
Board_1-/_{MB}LA2: length 7.2
  Top w0.1: 50.43,54.82 50.43,56.55 Q16#3.3
  Top w0.15: U2.38 49.25,51.46
  Top w0.2: U2.38 49.25,51.75 49.7,52.2 49.7,54.58 49.87,54.75 50.35,54.75 50.43,54.82
Board_1-/_{MB}LB1: length 10.1
  Top w0.1: Q10#2.3 42.93,56.55 42.93,54.82
  Top w0.2: 42.93,54.82 42.85,54.75 42.37,54.75 42.22,54.6 42.22,52.59 v1(41.99,52.36) ; v1(44.75,51.72) U2.47